# Allegro board 1155001-Timing_board_V3_20241024_1805_pcb.brd (continued)
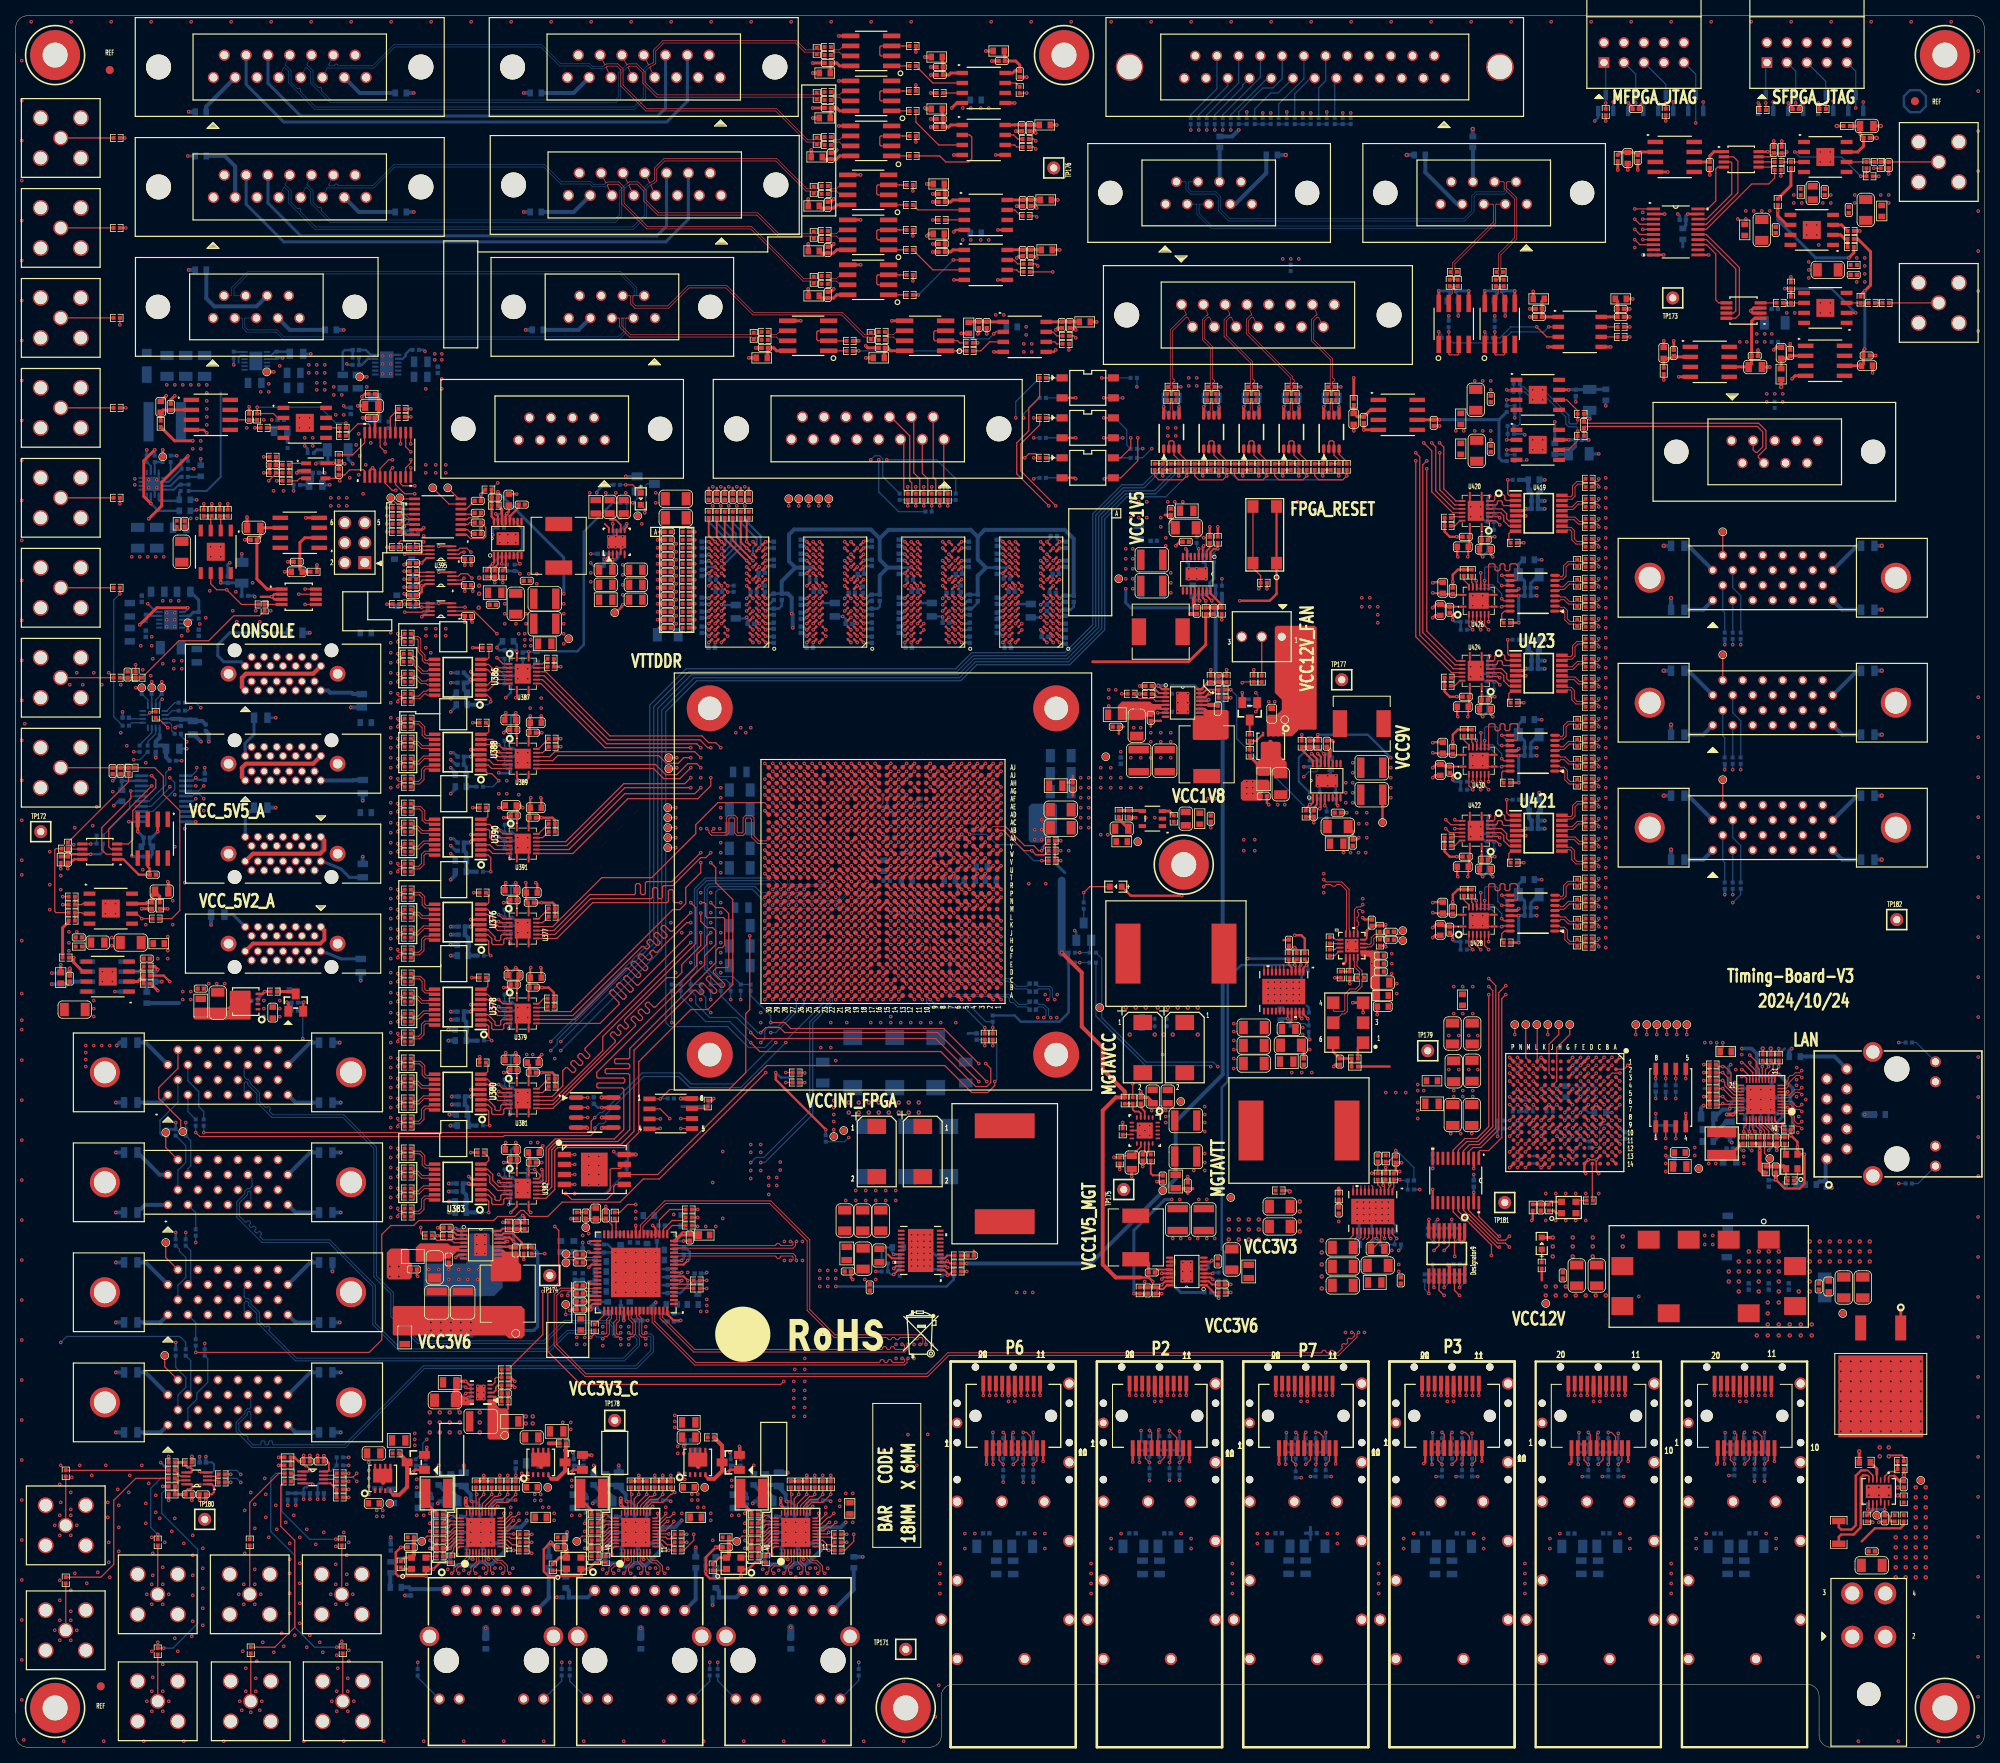
[diagram p0: board, top side]
## Nets (continued)
FPGA_2_RGMII_RX_CTL: R2480.2 R2491.1 U247.G14(IO_L11N_T1_SRCC_18) U325.26(RX_CTRL/PHYAD2)
FPGA_2_RGMII_RXD0: R2483.2 R2494.1 U247.E13(IO_L14N_T2_SRCC_18) U325.25(RX_D0/RXDLY)
FPGA_2_RGMII_RXD1: R2482.2 R2493.1 U247.F13(IO_L12N_T1_MRCC_18) U325.24(RX_D1/TXDLY)
FPGA_2_RGMII_RXD2: R2481.2 R2492.1 U247.F12(IO_L14P_T2_SRCC_18) U325.23(RX_D2/PLLOFF)
FPGA_2_RGMII_RXD3: R2478.2 R2489.1 U247.J12(IO_L8N_T1_18) U325.22(RX_D3/PHYAD0)
FPGA_2_RGMII_TX_CLK: U247.H15(IO_L7P_T1_18) U325.20(GTX_CLK)
FPGA_2_RGMII_TX_CTL: U247.J16(IO_L9P_T1_DQS_18) U325.19(TX_CTRL)
FPGA_2_RGMII_TXD0: U247.H11(IO_L10P_T1_18) U325.18(TD_D0)
FPGA_2_RGMII_TXD1: U247.D13(IO_L13N_T2_MRCC_18) U325.17(TD_D1)
FPGA_2_RGMII_TXD2: U247.H12(IO_L10N_T1_18) U325.16(TD_D2)
FPGA_2_RGMII_TXD3: U247.G15(IO_L7N_T1_18) U325.15(TD_D3)
FPGA_3_25M_OSC_ETH: C2630.1(CAP2) R2519.2 U327.37(XTAL_OUT/EXT_CLK)
FPGA_3_ETH_INTB: R2502.2 U247.K16(IO_L1N_T0_18)
FPGA_3_ETH_LED0: R2517.2 R2528.1 U327.32(LED_0/CFG_EXT)
FPGA_3_ETH_LED1: R2516.2 R2527.1 R2576.1 U327.33(LED_1/CFG_LDO0)
FPGA_3_ETH_LED2: R2515.2 R2526.1 R2574.1 U327.34(LED_2/CFG_LDO1)
FPGA_3_ETH_PWR_EN: R2539.2 U247.D19(IO_L14N_T2_SRCC_17)
FPGA_3_ETH_RESET_B: R2504.2 U247.L11(IO_L6P_T0_18)
FPGA_3_ETH_TD_M_A: J107.3 U327.2(MDIN0)
FPGA_3_ETH_TD_M_B: J107.7 U327.5(MDIN1)
FPGA_3_ETH_TD_M_C: J107.6 U327.7(MDIN2)
FPGA_3_ETH_TD_M_D: J107.9 U327.10(MDIN3)
FPGA_3_ETH_TD_P_A: J107.2 U327.1(MDIP0)
FPGA_3_ETH_TD_P_B: J107.4 U327.4(MDIP1)
FPGA_3_ETH_TD_P_C: J107.5 U327.6(MDIP2)
FPGA_3_ETH_TD_P_D: J107.8 U327.9(MDIP3)
FPGA_3_RGMII_RX_CLK: R2510.2 R2521.1 U247.D12(IO_L13P_T2_MRCC_18) U327.27(RX_CLK/PHYAD1)
FPGA_3_RGMII_RX_CTL: R2511.2 R2522.1 U247.L15(IO_L2P_T0_18) U327.26(RX_CTRL/PHYAD2)
FPGA_3_RGMII_RXD0: R2514.2 R2525.1 U247.J14(IO_L5N_T0_18) U327.25(RX_D0/RXDLY)
FPGA_3_RGMII_RXD1: R2513.2 R2524.1 U247.J13(IO_L4N_T0_18) U327.24(RX_D1/TXDLY)
FPGA_3_RGMII_RXD2: R2512.2 R2523.1 U247.K14(IO_L5P_T0_18) U327.23(RX_D2/PLLOFF)
FPGA_3_RGMII_RXD3: R2509.2 R2520.1 U247.L13(IO_L3N_T0_DQS_18) U327.22(RX_D3/PHYAD0)
FPGA_3_RGMII_TX_CLK: U247.G12(IO_0_18) U327.20(GTX_CLK)
FPGA_3_RGMII_TX_CTL: U247.K13(IO_L4P_T0_18) U327.19(TX_CTRL)
FPGA_3_RGMII_TXD0: U247.K11(IO_L6N_T0_VREF_18) U327.18(TD_D0)
FPGA_3_RGMII_TXD1: U247.K15(IO_L2N_T0_18) U327.17(TD_D1)
FPGA_3_RGMII_TXD2: U247.L12(IO_L3P_T0_DQS_18) U327.16(TD_D2)
FPGA_3_RGMII_TXD3: U247.L16(IO_L1P_T0_18) U327.15(TD_D3)
FPGA_CCLK_R: R233.2 R507.1 R508.1 U247.B10(CCLK_0)
FPGA_CCLK_SFPGA: R507.2 U88.D1(IO_L11P_T1_SRCC_34)
FPGA_CONFIG_CSI_B: U88.F1(IO_L9N_T1_DQS_34) U247.V26(IO_L16P_T2_CSI_B_14)
FPGA_CONFIG_D0: R503.2 U88.B6(IO_0_34)
FPGA_CONFIG_D0_R: R503.1 R504.1 U247.P24(IO_L1P_T0_D00_MOSI_14)
FPGA_CONFIG_D1: R505.2 U88.D3(IO_L1P_T0_34)
FPGA_CONFIG_D1_R: R505.1 R506.1 U247.R25(IO_L1N_T0_D01_DIN_14)
FPGA_CONFIG_D2: R509.2 U88.C3(IO_L1N_T0_34)
FPGA_CONFIG_D2_R: R509.1 R510.1 U247.R20(IO_L2P_T0_D02_14)
FPGA_CONFIG_D3: R511.2 U88.A4(IO_L2P_T0_34)
FPGA_CONFIG_D3_R: R511.1 R512.1 U247.R21(IO_L2N_T0_D03_14)
FPGA_CONFIG_D4: U88.A3(IO_L2N_T0_34) U247.T20(IO_L4P_T0_D04_14)
FPGA_CONFIG_D5: U88.B3(IO_L3P_T0_DQS_34) U247.T21(IO_L4N_T0_D05_14)
FPGA_CONFIG_D6: U88.A2(IO_L3N_T0_DQS_34) U247.T22(IO_L5P_T0_D06_14)
FPGA_CONFIG_D7: U88.B5(IO_L4P_T0_34) U247.T23(IO_L5N_T0_D07_14)
FPGA_CONFIG_D8: U88.A5(IO_L4N_T0_34) U247.U20(IO_L6N_T0_D08_VREF_14)
FPGA_CONFIG_D9: U88.B2(IO_L5P_T0_34) U247.P29(IO_L7P_T1_D09_14)
FPGA_CONFIG_D10: U88.B1(IO_L5N_T0_34) U247.R29(IO_L7N_T1_D10_14)
FPGA_CONFIG_D11: U88.C5(IO_L6P_T0_34) U247.P27(IO_L8P_T1_D11_14)
FPGA_CONFIG_D12: U88.C4(IO_L6N_T0_VREF_34) U247.P28(IO_L8N_T1_D12_14)
FPGA_CONFIG_D13: U88.E4(IO_L7P_T1_34) U247.T30(IO_L9N_T1_DQS_D13_14)
FPGA_CONFIG_D14: U88.D4(IO_L7N_T1_34) U247.P26(IO_L10P_T1_D14_14)
FPGA_CONFIG_D15: U88.F3(IO_L8P_T1_34) U247.R26(IO_L10N_T1_D15_14)
FPGA_CONFIG_RDWR_B: U88.G1(IO_L9P_T1_DQS_34) U247.U29(IO_L15P_T2_DQS_RDWR_B_14)
FPGA_DONE_R: Q15.1(GATE) R395.2 R680.1 U247.M10(DONE_0)
FPGA_DONE_SFPGA: R680.2 U88.C1(IO_L11N_T1_SRCC_34)
FPGA_GPIO_OUT1: R3363.1 R3369.1 U247.A18(IO_L22N_T3_17)
FPGA_GPIO_OUT2: R3371.1 R3377.1 U247.B22(IO_L23P_T3_17)
FPGA_GPIO_OUT3: R3379.1 R3385.1 U247.F16(IO_25_18)
FPGA_INIT_B_R: R4.2 R676.1 U247.A10(INIT_B_0)
FPGA_INIT_B_SFPGA: R676.2 U88.E2(IO_L10P_T1_34)
FPGA_M0: R337.2 R342.1 U247.AB5(M0_0)
FPGA_M1: R338.2 R341.1 U247.AB2(M1_0)
FPGA_M2: R339.2 R340.1 U247.AB1(M2_0)
FPGA_MASTER_CLOCK_N: C941.2(CAP1) U245.12(OUT1_N)
FPGA_MASTER_CLOCK_P: C942.2(CAP1) U245.11(OUT1_P)
FPGA_PROG_B_R: R42.2 R678.1 U247.K10(PROGRAM_B_0)
FPGA_PROG_B_SFPGA: R678.2 U88.D2(IO_L10N_T1_34)
FPGA_RESET: R41.1 SW8.3(P3) SW8.4(P4) U247.M19(IO_0_15)
FPGA_RGMII_MDC: R2462.2 R2463.2 R2469.2 R2500.2 R2743.2
FPGA_RGMII_MDC_R: R2463.1 U247.B14(IO_L24P_T3_18)
FPGA_RGMII_MDIO: R2461.2 R2464.2 R2470.2 R2501.2 R2744.2
FPGA_RGMII_MDIO_R: R2464.1 U247.A15(IO_L24N_T3_18)
FPGA_SFP1_4_IIC_SCL: R124.2 U247.D28(IO_L14N_T2_SRCC_16) U432.14(SCL)
FPGA_SFP1_4_IIC_SDA: R123.2 U247.B29(IO_L15N_T2_DQS_16) U432.15(SDA)
FPGA_SFP1_4_RESET_B: R513.2 U247.G25(IO_25_16) U432.3(RESET_B)
FPGA_SFP1_IIC_SCL: P3.5(SCL) R128.2 R516.2 U432.5(SC0)
FPGA_SFP1_IIC_SDA: P3.4(SDA) R127.2 R517.2 U432.4(SD0)
FPGA_SFP1_LOS: P3.8(LOS) R14.2 U247.E23(IO_L2P_T0_16)
FPGA_SFP1_MOD_DETECT: P3.6(MOD_ABS) R13.2 U247.A23(IO_L1N_T0_16)
FPGA_SFP1_RX_N: P3.12(RD_N) U247.K5(MGTXRXN0_117)
FPGA_SFP1_RX_P: P3.13(RD_P) U247.K6(MGTXRXP0_117)
FPGA_SFP1_TX_FAULT: P3.2(TX_FAULT) R11.2 U247.F23(IO_0_16)
FPGA_SFP1_TX_N: P3.19(TD_N) U247.K1(MGTXTXN0_117)
FPGA_SFP1_TX_P: P3.18(TD_P) U247.K2(MGTXTXP0_117)
FPGA_SFP1_VCCR: C23.1(CAP2) C114.1(CAP2) L6.2 P3.15(VCCR)
FPGA_SFP1_VCCT: C22.1(CAP2) C115.1(CAP2) L7.2 P3.16(VCCT)
FPGA_SFP2_IIC_SCL: P2.5(SCL) R131.2 R520.2 U432.7(SC1)
FPGA_SFP2_IIC_SDA: P2.4(SDA) R132.2 R521.2 U432.6(SD1)
FPGA_SFP2_LOS: P2.8(LOS) R21.2 U247.G23(IO_L6P_T0_16)
FPGA_SFP2_MOD_DETECT: P2.6(MOD_ABS) R22.2 U247.E25(IO_L3N_T0_DQS_16)
FPGA_SFP2_RX_N: P2.12(RD_N) U247.E3(MGTXRXN0_118)
FPGA_SFP2_RX_P: P2.13(RD_P) U247.E4(MGTXRXP0_118)
FPGA_SFP2_TX_FAULT: P2.2(TX_FAULT) R20.2 U247.D23(IO_L2N_T0_16)
FPGA_SFP2_TX_N: P2.19(TD_N) U247.D1(MGTXTXN0_118)
FPGA_SFP2_TX_P: P2.18(TD_P) U247.D2(MGTXTXP0_118)
FPGA_SFP2_VCCR: C72.1(CAP2) C78.1(CAP2) L12.2 P2.15(VCCR)
FPGA_SFP2_VCCT: C73.1(CAP2) C99.1(CAP2) L11.2 P2.16(VCCT)
FPGA_SFP3_IIC_SCL: P6.5(SCL) R129.2 R2057.2 U432.10(SC2)
FPGA_SFP3_IIC_SDA: P6.4(SDA) R130.2 R2058.2 U432.9(SD2)
FPGA_SFP3_LOS: P6.8(LOS) R2053.2 U247.D26(IO_L11P_T1_SRCC_16)
FPGA_SFP3_MOD_DETECT: P6.6(MOD_ABS) R2054.2 U247.A28(IO_L9N_T1_DQS_16)
FPGA_SFP3_RX_N: P6.12(RD_N) U247.D5(MGTXRXN1_118)
FPGA_SFP3_RX_P: P6.13(RD_P) U247.D6(MGTXRXP1_118)
FPGA_SFP3_TX_FAULT: P6.2(TX_FAULT) R2055.2 U247.B24(IO_L8N_T1_16)
FPGA_SFP3_TX_N: P6.19(TD_N) U247.C3(MGTXTXN1_118)
FPGA_SFP3_TX_P: P6.18(TD_P) U247.C4(MGTXTXP1_118)
FPGA_SFP3_VCCR: C2404.1(CAP2) C2406.1(CAP2) L258.2 P6.15(VCCR)
FPGA_SFP3_VCCT: C2405.1(CAP2) C2407.1(CAP2) L257.2 P6.16(VCCT)
FPGA_SFP4_IIC_SCL: P7.5(SCL) R134.2 R2065.2 U432.12(SC3)
FPGA_SFP4_IIC_SDA: P7.4(SDA) R133.2 R2066.2 U432.11(SD3)
FPGA_SFP4_LOS: P7.8(LOS) R2061.2 U247.E28(IO_L14P_T2_SRCC_16)
FPGA_SFP4_MOD_DETECT: P7.6(MOD_ABS) R2062.2 U247.B25(IO_L12N_T1_MRCC_16)
FPGA_SFP4_RX_N: P7.12(RD_N) U247.F5(MGTXRXN3_117)
FPGA_SFP4_RX_P: P7.13(RD_P) U247.F6(MGTXRXP3_117)
FPGA_SFP4_TX_FAULT: P7.2(TX_FAULT) R2063.2 U247.C26(IO_L11N_T1_SRCC_16)
FPGA_SFP4_TX_N: P7.19(TD_N) U247.F1(MGTXTXN3_117)
FPGA_SFP4_TX_P: P7.18(TD_P) U247.F2(MGTXTXP3_117)
FPGA_SFP4_VCCR: C2408.1(CAP2) C2410.1(CAP2) L260.2 P7.15(VCCR)
FPGA_SFP4_VCCT: C2409.1(CAP2) C2411.1(CAP2) L259.2 P7.16(VCCT)
FPGA_SFP5_IIC_SCL: P8.5(SCL) R3183.2 U247.H30(IO_L24P_T3_16)
FPGA_SFP5_IIC_SDA: P8.4(SDA) R3184.2 U247.G30(IO_L24N_T3_16)
FPGA_SFP5_LOS: P8.8(LOS) R3179.2 U247.H27(IO_L23N_T3_16)
FPGA_SFP5_MOD_DETECT: P8.6(MOD_ABS) R3180.2 U247.H26(IO_L23P_T3_16)
FPGA_SFP5_RX_N: P8.12(RD_N) U247.H5(MGTXRXN1_117)
FPGA_SFP5_RX_P: P8.13(RD_P) U247.H6(MGTXRXP1_117)
FPGA_SFP5_TX_FAULT: P8.2(TX_FAULT) R3181.2 U247.C27(IO_L13N_T2_MRCC_16)
FPGA_SFP5_TX_N: P8.19(TD_N) U247.J3(MGTXTXN1_117)
FPGA_SFP5_TX_P: P8.18(TD_P) U247.J4(MGTXTXP1_117)
FPGA_SFP5_VCCR: C3022.1(CAP2) C3024.1(CAP2) L487.2 P8.15(VCCR)
FPGA_SFP5_VCCT: C3023.1(CAP2) C3025.1(CAP2) L486.2 P8.16(VCCT)
FPGA_SFP6_IIC_SCL: P9.5(SCL) R3194.2 U431.16(B4)
FPGA_SFP6_IIC_SCL_1V8: U247.V22(IO_L22N_T3_A04_D20_14) U431.5(A4)
FPGA_SFP6_IIC_SDA: P9.4(SDA) R3195.2 U431.15(B5)
FPGA_SFP6_IIC_SDA_1V8: U247.V24(IO_L23N_T3_A02_D18_14) U431.6(A5)
FPGA_SFP6_LOS: P9.8(LOS) R3190.2 U431.17(B3)
FPGA_SFP6_LOS_1V8: U247.U23(IO_L21N_T3_DQS_A06_D22_14) U431.4(A3)
FPGA_SFP6_MOD_DETECT: P9.6(MOD_ABS) R3191.2 U431.18(B2)
FPGA_SFP6_MOD_DETECT_1V8: U247.W24(IO_L20N_T3_A07_D23_14) U431.3(A2)
FPGA_SFP6_RX_N: P9.12(RD_N) U247.G3(MGTXRXN2_117)
FPGA_SFP6_RX_P: P9.13(RD_P) U247.G4(MGTXRXP2_117)
FPGA_SFP6_TX_FAULT: P9.2(TX_FAULT) R3192.2 U431.20(B1)
FPGA_SFP6_TX_FAULT_1V8: U247.V27(IO_L16N_T2_A15_D31_14) U431.1(A1)
FPGA_SFP6_TX_N: P9.19(TD_N) U247.H1(MGTXTXN2_117)
FPGA_SFP6_TX_P: P9.18(TD_P) U247.H2(MGTXTXP2_117)
FPGA_SFP6_VCCR: C3027.1(CAP2) C3028.1(CAP2) L489.2 P9.15(VCCR)
FPGA_SFP6_VCCT: C3026.1(CAP2) C3029.1(CAP2) L488.2 P9.16(VCCT)
FPGA_TCK: D4.3 J1.1 R456.2 U247.E10(TCK_0)
FPGA_TDI: D1.3 J1.9 U247.H10(TDI_0)
FPGA_TDI_1_GPIO_IN1: R2612.2 U247.E29(IO_L18P_T2_16)
FPGA_TDI_2_GPIO_IN1: R2614.2 U247.E30(IO_L18N_T2_16)
FPGA_TDI_3_GPIO_IN1: R2624.2 U247.H24(IO_L19P_T3_16)
FPGA_TDI_4_GPIO_IN1: R2626.2 U247.H25(IO_L19N_T3_VREF_16)
FPGA_TDI_SYNC_GPIO_OUT1: R2618.2 U247.B23(IO_L1P_T0_16)
FPGA_TDI_SYNC_GPIO_OUT2: R2620.2 U247.F25(IO_L3P_T0_DQS_16)
FPGA_TDI_SYNC_GPIO_OUT3: R2630.2 U247.B28(IO_L9P_T1_DQS_16)
FPGA_TDI_SYNC_GPIO_OUT4: R2632.2 U247.C25(IO_L12P_T1_MRCC_16)
FPGA_TDO: D3.3 J1.3 U247.G10(TDO_0)
FPGA_TMS: D2.3 J1.5 R455.2 U247.F10(TMS_0)
FPGA_TO_SFPGA_RESERVE0: U88.M3(IO_L19P_T3_34) U247.AJ27(IO_L20P_T3_13)
FPGA_TO_SFPGA_RESERVE1: U88.M2(IO_L19N_T3_VREF_34) U247.AK28(IO_L20N_T3_13)
FPGA_TO_SFPGA_RESERVE2: U88.P2(IO_L20P_T3_34) U247.AG27(IO_L21P_T3_DQS_13)
FPGA_TO_SFPGA_RESERVE3: U88.N1(IO_L20N_T3_34) U247.AG28(IO_L21N_T3_DQS_13)
FPGA_TO_SFPGA_RESERVE4: U88.P4(IO_L21P_T3_DQS_34) U247.AH26(IO_L22P_T3_13)
FPGA_TO_SFPGA_RESERVE5: U88.P3(IO_L21N_T3_DQS_34) U247.AH27(IO_L22N_T3_13)
FPGA_TO_SFPGA_RESERVE6: U88.L3(IO_L22P_T3_34) U247.AF26(IO_L23P_T3_13)
FPGA_TO_SFPGA_RESERVE7: U88.L2(IO_L22N_T3_34) U247.AF27(IO_L23N_T3_13)
FPGA_TO_SFPGA_RESERVE8: U88.M5(IO_L23P_T3_34) U247.AJ26(IO_L24P_T3_13)
FPGA_TO_SFPGA_RESERVE9: U88.M4(IO_L23N_T3_34) U247.AK26(IO_L24N_T3_13)
FPGA_UART_RX_MOTOR: R3331.1 R3353.1 U247.E20(IO_L12N_T1_MRCC_17)
FPGA_UART_TX_MOTOR: R3355.1 R3361.1 U247.D17(IO_L13P_T2_MRCC_17)
HMC7044_1_CLK_C_N: C994.1(CAP2) U105.48(OSCIN*)
HMC7044_1_CLK_C_P: C993.1(CAP2) U105.47(OSCIN)
HMC7044_1_CLK_N: C994.2(CAP1) U245.10(OUT0_N)
HMC7044_1_CLK_P: C993.2(CAP1) U245.9(OUT0_P)
HMC7044_1_CLKIN0_C_N: C2395.1(CAP2) U105.40(CLKIN0*/RFSYNCIN*)
HMC7044_1_CLKIN0_C_P: C2394.1(CAP2) U105.39(CLKIN0/RFSYNCIN)
HMC7044_1_GPIO1: R1000.2 U247.J17(IO_L3P_T0_DQS_17)
HMC7044_1_GPIO1_R: R1000.1 U105.31(GPIO1)
HMC7044_1_GPIO2: R1001.2 U247.H17(IO_L3N_T0_DQS_17)
HMC7044_1_GPIO2_R: R1001.1 U105.52(GPIO2)
HMC7044_1_RESET: R995.2 U247.K18(IO_L1P_T0_17)
HMC7044_1_RESET_R: R995.1 U105.5(RESET)
HMC7044_1_SCLK: R998.2 U247.H20(IO_L2P_T0_17)
HMC7044_1_SCLK_R: R998.1 U105.19(SCLK)
HMC7044_1_SDATA: R999.2 U247.G20(IO_L2N_T0_17)
HMC7044_1_SDATA_R: R999.1 U105.20(SDATA)
HMC7044_1_SLEN: R997.2 U247.J18(IO_L1N_T0_17)
HMC7044_1_SLEN_R: R997.1 U105.18(SLEN)
HMC7044_1_SYNC_R: R996.1 U105.6(SYNC)
HMC7044_1_VCC1_VCO: C1009.2(CAP1) C1010.1(CAP2) C1011.1(CAP2) L57.2 U105.10(VCC1_VCO)
HMC7044_1_VCC2_OUT: C1012.2(CAP1) C1013.1(CAP2) C1014.1(CAP2) L58.2 U105.17(VCC2_OUT)
HMC7044_1_VCC3_SYSREF: C1015.2(CAP1) C1016.1(CAP2) C1017.1(CAP2) L59.2 U105.21(VCC3_SYSREF)
HMC7044_1_VCC4_OUT: C1018.2(CAP1) C1019.1(CAP2) C1020.1(CAP2) L60.2 U105.26(VCC4_OUT)
HMC7044_1_VCC5_PLL1: C1021.2(CAP1) C1022.1(CAP2) C1023.1(CAP2) L61.2 U105.38(VCC5_PLL1)
HMC7044_1_VCC6_OSCOUT: C1024.2(CAP1) C1025.1(CAP2) C1026.1(CAP2) L62.2 U105.41(VCC6_OSCOUT)
HMC7044_1_VCC7_PLL2: C1027.2(CAP1) C1028.1(CAP2) C1029.1(CAP2) L63.2 U105.51(VCC7_PLL2)
HMC7044_1_VCC8_OUT: C1030.2(CAP1) C1031.1(CAP2) C1032.1(CAP2) L64.2 U105.57(VCC8_OUT)
HMC7044_1_VCC9_OUT: C1033.2(CAP1) C1034.1(CAP2) C1035.1(CAP2) L65.2 U105.68(VCC9_OUT)
HMC7044_SYNC: R996.2 R1199.2 U247.G19(IO_0_17)
INPUT_GND: C1134.2(CAP1) C1136.1(CAP2) C1139.2(CAP1) C1140.2(CAP1) C1142.2(CAP1) C1144.2(CAP1) C1145.1(CAP2) C1146.1(CAP2) C1147.2(CAP1) C1148.1(CAP2) C1149.2(CAP1) C1150.2(CAP1) C1151.2(CAP1) C1152.1(CAP2) J18.2(GND#2) J18.4(GND#4) R1036.2 R1063.2 R2805.1 TP38.1 U111.1(BUS-1) U111.10(BUS-2) U112.10(GND) U112.13(HOTGND)
INTVCC3V4_1: C1175.1(CAP2) R1061.2 U115.13(INTVCC)
INTVCC3V4_2: C1189.1(CAP2) R1071.2 U116.13(INTVCC)
INTVCC3V4_3: C1164.1(CAP2) R1081.2 U114.13(INTVCC)
INTVCC3V4_4: C1220.1(CAP2) R1106.2 U119.13(INTVCC)
INTVCC3V4_5: C1271.1(CAP2) R1142.2 U126.13(INTVCC)
INTVCC3V4_6: C2529.1(CAP2) R2277.2 U298.13(INTVCC)
MAX5216_CLK: U318.3(SCLK) U324.18(B2)
MAX5216_CLK_ACS: U434.3(SCLK) U435.18(B2)
MAX5216_CLK_ACS_LS: U247.T28(IO_L11N_T1_SRCC_14) U435.3(A2)
MAX5216_CLK_LS: U247.D24(IO_L4N_T0_16) U324.3(A2)
MAX5216_CLR: R3024.1 U324.16(B4)
MAX5216_CLR_ACS: R3283.2 U434.5(C\L\R\) U435.16(B4)
MAX5216_CLR_ACS_LS: U247.T27(IO_L12N_T1_MRCC_14) U435.5(A4)
MAX5216_CLR_LS: U247.C19(IO_L24P_T3_17) U324.5(A4)
MAX5216_CS: U318.2(C\S\) U324.17(B3)
MAX5216_CS_ACS: U434.2(C\S\) U435.17(B3)
MAX5216_CS_ACS_LS: U247.T26(IO_L12P_T1_MRCC_14) U435.4(A3)
MAX5216_CS_LS: U247.A22(IO_L23N_T3_17) U324.4(A3)
MAX5216_DAC_OUT: R3285.2 U434.6(OUT)
MAX5216_DIN: U318.4(DIN) U324.20(B1)
MAX5216_DIN_ACS: U434.4(DIN) U435.20(B1)
MAX5216_DIN_ACS_LS: U247.R28(IO_L11P_T1_SRCC_14) U435.1(A1)
MAX5216_DIN_LS: U247.E24(IO_L4P_T0_16) U324.1(A1)
MGTAVCC: C144.1(CAP2) C145.1(CAP2) C2257.1(CAP2) C2258.1(CAP2) C2259.1(CAP2) C2260.1(CAP2) C2261.1(CAP2) C2262.1(CAP2) C2263.1(CAP2) C2264.1(CAP2) C2265.1(CAP2) C2266.1(CAP2) CC13.1 CC14.1 L99.1 R1100.2 TP47.1 U247.B7(MGTAVCC#B7) U247.D7(MGTAVCC#D7) U247.F7(MGTAVCC#F7) U247.H7(MGTAVCC#H7) U247.K7(MGTAVCC#K7) U247.M7(MGTAVCC#M7) U247.P7(MGTAVCC#P7)
MGTAVCC_PG: R1091.2 R1102.1 U118.3(PGOOD)
MGTAVTT: C146.1(CAP2) C147.1(CAP2) C1233.1(CAP2) C1234.1(CAP2) C1235.2(CAP1) C1237.1(CAP2) C2270.1(CAP2) C2271.1(CAP2) C2272.1(CAP2) C2273.1(CAP2) C2274.1(CAP2) C2275.1(CAP2) C2276.1(CAP2) C2277.1(CAP2) C2278.1(CAP2) C2279.1(CAP2) R165.1 TP52.1 U120.1(OUT) U120.2(SNS) U120.19(OUT_1) U120.20(OUT_2) U247.B3(MGTAVTT#B3) U247.C5(MGTAVTT#C5) U247.D3(MGTAVTT#D3) U247.E5(MGTAVTT#E5) U247.F3(MGTAVTT#F3) U247.G5(MGTAVTT#G5) U247.H3(MGTAVTT#H3) U247.J5(MGTAVTT#J5) U247.K3(MGTAVTT#K3) U247.L5(MGTAVTT#L5) U247.M3(MGTAVTT#M3) U247.N5(MGTAVTT#N5) U247.P3(MGTAVTT#P3) U247.R5(MGTAVTT#R5) U247.T3(MGTAVTT#T3) U247.U5(MGTAVTT#U5) U247.V3(MGTAVTT#V3) U247.W5(MGTAVTT#W5) U247.W7(MGTAVTTRCAL_115)
MGTAVTT_PG: R1113.2 U247.L20(IO_L6N_T0_VREF_15)
MGTVCCAUX: C148.1(CAP2) C2267.1(CAP2) C2268.1(CAP2) C2269.1(CAP2) L357.2 U247.T7(MGTVCCAUX#T7) U247.V7(MGTVCCAUX#V7)
MOTO_OUTPUT_ACQ: R3110.1 R3125.1 U415.6(OUT)
MOTO_VOLTAGE_IN: R3126.1 R3141.2
MOTO_VOLTAGE_IN_AMP: R3108.2 R3149.2
MOTO_VOLTAGE_OUT: R1911.2 R3116.1
MOTO_VOLTAGE_OUT_AMP: R3117.1 R3142.2
NC_GNDADC_R: R791.1 U88.F7(NC/GNDADC_0)
NC_VREFN_R: R790.1 U88.G7(NC/VREFN_0)
NC_VREFP_R: R789.1 U88.H8(NC/VREFP_0)
QSPI_CLK: R508.2 U7.6(CLK)
QSPI_CS_B: R496.2 R502.2 U7.1(C\S\)
QSPI_CS_B_R: R502.1 U247.U19(IO_L6P_T0_FCS_B_14)
QSPI_MISO0: R504.2 U7.5(DI/IO0)
QSPI_MISO1: R506.2 U7.2(DO/IO1)
QSPI_MISO2: R497.2 R510.2 U7.3(\W\P\/IO2)
QSPI_MISO3: R498.2 R512.2 U7.7(\H\O\L\D\/IO3)
RC_C: C3003.2(CAP1) C3004.2(CAP1) J66.1(SIG) R1911.1 R3142.1
RF_EMISSION_LS: U247.N30(IO_L17N_T2_A25_15) U395.3(A2)
RF_EMISSION_S: R3034.2 R3196.2
RF_ENABLE_1: R2777.2 U247.G28(IO_L20P_T3_16)
RF_ENABLE_2: R2778.2 U247.G17(IO_L18P_T2_17)
RF_ENABLE_3: R2779.2 U247.C20(IO_L19P_T3_17)
RF_ENABLE_4: R2783.2 U247.A16(IO_L20P_T3_17)
RF_ENABLE_5: R3155.2 U247.G24(IO_L6N_T0_VREF_16)
RF_ENABLE_6: R3162.2 U247.A27(IO_L7N_T1_16)
RF_ENABLE_7: R3169.2 U247.C29(IO_L15P_T2_DQS_16)
RF_ENABLE_LS: U247.K25(IO_L12N_T1_MRCC_AD5N_15) U395.2(A1)
RF_ENABLE_S: R1910.2 R3106.2
RF_FAULT: J115.2 U394.7(B1)
RF_FAULT_1: R2780.2 U247.F28(IO_L20N_T3_16)
RF_FAULT_2: R2781.2 U247.F17(IO_L18N_T2_17)
RF_FAULT_3: R2782.2 U247.B20(IO_L19N_T3_VREF_17)
RF_FAULT_4: R2784.2 U247.A17(IO_L20N_T3_17)
RF_FAULT_5: R3156.2 U247.B27(IO_L7P_T1_16)
RF_FAULT_6: R3163.2 U247.C24(IO_L8P_T1_16)
RF_FAULT_7: R3170.2 U247.D29(IO_L16P_T2_16)
RF_FAULT_LS: U247.M30(IO_L15N_T2_DQS_ADV_B_15) U394.2(A1)
RF_FPS_TRIGGER_1_N: J62.19(SERTFG-) U247.W26(IO_L18N_T2_A11_D27_14)
RF_FPS_TRIGGER_1_P: J62.6(SERTFG+) U247.V25(IO_L18P_T2_A12_D28_14)
RF_FPS_TRIGGER_2_N: J73.19(SERTFG-) U247.N26(IO_L18N_T2_A23_15)
RF_FPS_TRIGGER_2_P: J73.6(SERTFG+) U247.N25(IO_L18P_T2_A24_15)
RF_FPS_TRIGGER_3_N: J74.19(SERTFG-) U247.AK30(IO_L15N_T2_DQS_13)
RF_FPS_TRIGGER_3_P: J74.6(SERTFG+) U247.AK29(IO_L15P_T2_DQS_13)
RF_FPS_TRIGGER_4_N: J94.19(SERTFG-) U247.L27(IO_L11N_T1_SRCC_AD12N_15)
RF_FPS_TRIGGER_4_P: J94.6(SERTFG+) U247.L26(IO_L11P_T1_SRCC_AD12P_15)
RF_FPS_TRIGGER_5_N: J112.19(SERTFG-) R3306.1
RF_FPS_TRIGGER_5_P: J112.6(SERTFG+) R3305.1
RF_FPS_TRIGGER_5_P_S: U425.14(ROUT2) U426.12(1B2)
RF_FPS_TRIGGER_5_P_S_C: U247.AH24(IO_L14N_T2_SRCC_12) U426.5(1A2)
RF_FPS_TRIGGER_6_N: J113.19(SERTFG-) R3314.1
RF_FPS_TRIGGER_6_P: J113.6(SERTFG+) R3313.1
RF_FPS_TRIGGER_6_P_S: U427.14(ROUT2) U428.12(1B2)
RF_FPS_TRIGGER_6_P_S_C: U247.AF25(IO_L16N_T2_12) U428.5(1A2)
RF_FPS_TRIGGER_7_N: J114.19(SERTFG-) R3322.1
RF_FPS_TRIGGER_7_P: J114.6(SERTFG+) R3321.1
RF_FPS_TRIGGER_7_P_S: U429.14(ROUT2) U430.12(1B2)
RF_FPS_TRIGGER_7_P_S_C: U247.AJ21(IO_L23N_T3_12) U430.5(1A2)
RF_MOD_IN_ANALOG_S: R3025.2 R3026.2
RF_MOD_IN_FIXED_1_N: J62.18(CC1-) U247.W22(IO_L24N_T3_A00_D16_14)
RF_MOD_IN_FIXED_1_P: J62.5(CC1+) U247.W21(IO_L24P_T3_A01_D17_14)
RF_MOD_IN_FIXED_2_N: J73.18(CC1-) U247.L28(IO_L14N_T2_SRCC_15)
RF_MOD_IN_FIXED_2_P: J73.5(CC1+) U247.M28(IO_L14P_T2_SRCC_15)
RF_MOD_IN_FIXED_3_N: J74.18(CC1-) U247.AD26(IO_L19N_T3_VREF_13)
RF_MOD_IN_FIXED_3_P: J74.5(CC1+) U247.AC26(IO_L19P_T3_13)
RF_MOD_IN_FIXED_4_N: J94.18(CC1-) U247.N20(IO_L19N_T3_A21_VREF_15)
RF_MOD_IN_FIXED_4_P: J94.5(CC1+) U247.N19(IO_L19P_T3_A22_15)
RF_MOD_IN_FIXED_5_N: J112.18(CC1-) R3307.1
RF_MOD_IN_FIXED_5_P: J112.5(CC1+) R3308.1
RF_MOD_IN_FIXED_5_P_S: U425.11(ROUT3) U426.11(2B1)
RF_MOD_IN_FIXED_5_P_S_C: U247.AJ24(IO_L15P_T2_DQS_12) U426.6(2A1)
RF_MOD_IN_FIXED_6_N: J113.18(CC1-) R3316.1
RF_MOD_IN_FIXED_6_P: J113.5(CC1+) R3315.1
RF_MOD_IN_FIXED_6_P_S: U427.11(ROUT3) U428.11(2B1)
RF_MOD_IN_FIXED_6_P_S_C: U247.AK23(IO_L17P_T2_12) U428.6(2A1)
RF_MOD_IN_FIXED_7_N: J114.18(CC1-) R3324.1
RF_MOD_IN_FIXED_7_P: J114.5(CC1+) R3323.1
RF_MOD_IN_FIXED_7_P_S: U429.11(ROUT3) U430.11(2B1)
RF_MOD_IN_FIXED_7_P_S_C: U247.AK20(IO_L24P_T3_12) U430.6(2A1)
RF_MOD_IN_VARIABLE: J115.5 U396.6(B2)
RF_MOD_IN_VARIABLE_1_N: J62.4(CC2-) U247.V30(IO_L17N_T2_A13_D29_14)
RF_MOD_IN_VARIABLE_1_P: J62.17(CC2+) U247.V29(IO_L17P_T2_A14_D30_14)
RF_MOD_IN_VARIABLE_2_N: J73.4(CC2-) U247.J26(IO_L10N_T1_AD4N_15)
RF_MOD_IN_VARIABLE_2_P: J73.17(CC2+) U247.K26(IO_L10P_T1_AD4P_15)
RF_MOD_IN_VARIABLE_3_N: J74.4(CC2-) U247.AC27(IO_L12N_T1_MRCC_13)
RF_MOD_IN_VARIABLE_3_P: J74.17(CC2+) U247.AB27(IO_L12P_T1_MRCC_13)
RF_MOD_IN_VARIABLE_4_N: J94.4(CC2-) U247.P22(IO_L22N_T3_A16_15)
RF_MOD_IN_VARIABLE_4_P: J94.17(CC2+) U247.P21(IO_L22P_T3_A17_15)
RF_MOD_IN_VARIABLE_5_N: J112.4(CC2-) R3310.1
RF_MOD_IN_VARIABLE_5_P: J112.17(CC2+) R3309.1
RF_MOD_IN_VARIABLE_5_P_S: U425.10(ROUT4) U426.10(2B2)
RF_MOD_IN_VARIABLE_5_P_S_C: U247.AK25(IO_L15N_T2_DQS_12) U426.7(2A2)
RF_MOD_IN_VARIABLE_6_N: J113.4(CC2-) R3318.1
RF_MOD_IN_VARIABLE_6_P: J113.17(CC2+) R3317.1
RF_MOD_IN_VARIABLE_6_P_S: U427.10(ROUT4) U428.10(2B2)
RF_MOD_IN_VARIABLE_6_P_S_C: U247.AK24(IO_L17N_T2_12) U428.7(2A2)
RF_MOD_IN_VARIABLE_7_N: J114.4(CC2-) R3326.1
RF_MOD_IN_VARIABLE_7_P: J114.17(CC2+) R3325.1
RF_MOD_IN_VARIABLE_7_P_S: U429.10(ROUT4) U430.10(2B2)
RF_MOD_IN_VARIABLE_7_P_S_C: U247.AK21(IO_L24N_T3_12) U430.7(2A2)
RF_MOD_IN_VARIABLE_LS: U247.K30(IO_L9N_T1_DQS_AD11N_15) U396.3(A2)
RF_READY: J115.3 U394.6(B2)
RF_READY_LS: U247.M27(IO_L16N_T2_A27_15) U394.3(A2)
RF_SYNC: J115.4 U396.7(B1)
RF_SYNC_1_N_C: J62.23(X2-) R2948.2
RF_SYNC_1_P: U247.N27(IO_L16P_T2_A28_15) U382.12(1B2)
RF_SYNC_1_P_C: J62.10(X2+) R2947.2
RF_SYNC_1_P_H: U382.5(1A2) U383.6(DIN3)
RF_SYNC_2_N_C: J73.23(X2-) R2900.2
RF_SYNC_2_P: U247.V21(IO_L22P_T3_A05_D21_14) U379.12(1B2)
RF_SYNC_2_P_C: J73.10(X2+) R2899.2
RF_SYNC_2_P_H: U378.6(DIN3) U379.5(1A2)
RF_SYNC_3_N_C: J74.23(X2-) R2882.2
RF_SYNC_3_P: U247.W27(IO_L2P_T0_13) U377.12(1B2)
RF_SYNC_3_P_C: J74.10(X2+) R2881.2
RF_SYNC_3_P_H: U376.6(DIN3) U377.5(1A2)
RF_SYNC_4_N_C: J94.23(X2-) R2930.2
RF_SYNC_4_P: U247.U22(IO_L21P_T3_DQS_14) U381.12(1B2)
RF_SYNC_4_P_C: J94.10(X2+) R2928.2
RF_SYNC_4_P_H: U380.6(DIN3) U381.5(1A2)
RF_SYNC_5_N_C: J112.23(X2-) R3208.2
RF_SYNC_5_P: U247.AA23(IO_L4N_T0_12) U420.12(1B2)
RF_SYNC_5_P_C: J112.10(X2+) R3207.2
RF_SYNC_5_P_H: U419.6(DIN3) U420.5(1A2)
RF_SYNC_6_N_C: J113.23(X2-) R3224.2
RF_SYNC_6_P: U247.AD24(IO_L9N_T1_DQS_12) U422.12(1B2)
RF_SYNC_6_P_C: J113.10(X2+) R3223.2
RF_SYNC_6_P_H: U421.6(DIN3) U422.5(1A2)
RF_SYNC_7_N_C: J114.23(X2-) R3240.2
RF_SYNC_7_P: U247.AE24(IO_L12N_T1_MRCC_12) U424.12(1B2)
RF_SYNC_7_P_C: J114.10(X2+) R3239.2
RF_SYNC_7_P_H: U423.6(DIN3) U424.5(1A2)
RF_SYNC_LS: U247.N22(IO_L20N_T3_A19_15) U396.2(A1)
RS422_MOTOR_RX_N: J127.7 R3134.2 R3291.2
RS422_MOTOR_RX_P: J127.15 R3134.1 R3292.2
RS422_MOTOR_TX_N: J127.3 R3354.2 R3356.2
RS422_MOTOR_TX_P: J127.11 R3354.1 R3357.2
S_FPGA_CLK: R669.2 U88.D14(IO_L11P_T1_SRCC_14)
S_FPGA_QSPI_CLK: R670.2 U88.A8(CCLK_0)
S_FPGA_QSPI_CS_B: R658.2 U88.C11(IO_L6P_T0_FCS_B_14) U89.1(C\S\)
S_FPGA_QSPI_MISO0: U88.B11(IO_L1P_T0_D00_MOSI_14) U89.5(DI/IO0)
S_FPGA_QSPI_MISO1: U88.B12(IO_L1N_T0_D01_DIN_14) U89.2(DO/IO1)
S_FPGA_QSPI_MISO2: R659.2 U88.D10(IO_L2P_T0_D02_14) U89.3(\W\P\/IO2)
S_FPGA_QSPI_MISO3: R660.2 U88.C10(IO_L2N_T0_D03_14) U89.7(\H\O\L\D\/IO3)
S_FPGA_TCK: D8.3 J56.1 R668.2 U88.A7(TCK_0)
S_FPGA_TDI: D5.3 J56.9 U88.P7(TDI_0)
S_FPGA_TDO: D7.3 J56.3 U88.P6(TDO_0)
S_FPGA_TMS: D6.3 J56.5 R667.2 U88.M6(TMS_0)
S_XADC_AGND: C815.2(CAP1) L41.2 R789.2 R790.2 R791.2
SAFETY_IN1: R2183.1 U247.D16(IO_L15P_T2_DQS_17)
SAFETY_IN1+: R2162.1 U280.4(DRAIN2)
SAFETY_IN1-: R2167.1 U280.3(DRAIN1)
SAFETY_IN2: R2352.1 U247.C16(IO_L15N_T2_DQS_17)
SAFETY_IN2+: R2163.1 U303.4(DRAIN2)
SAFETY_IN2-: R2166.1 U303.3(DRAIN1)
SAFETY_IN3: R2353.1 U247.G18(IO_L16P_T2_17)
SAFETY_IN3+: R2164.1 U304.4(DRAIN2)
SAFETY_IN3-: R2165.1 U304.3(DRAIN1)
SAFETY_OUT1: R2186.2 U247.F18(IO_L16N_T2_17)
SAFETY_OUT1+: R2184.2 R2186.1 R2359.1
SAFETY_OUT1-: R2185.2 R2362.1
SAFETY_OUT2: R2189.2 U247.C17(IO_L17P_T2_17)
SAFETY_OUT2+: R2187.2 R2189.1 R2358.1
SAFETY_OUT2-: R2188.2 R2361.1
SAFETY_OUT3: R2355.2 U247.B17(IO_L17N_T2_17)
SAFETY_OUT3+: R2354.2 R2355.1 R2357.1
SAFETY_OUT3-: R2356.2 R2360.1
SFP_MGT_REFCLK0_C_N: C989.1(CAP2) U247.G7(MGTREFCLK0N_117)
SFP_MGT_REFCLK0_C_P: C990.1(CAP2) U247.G8(MGTREFCLK0P_117)
SFP_MGT_REFCLK0_N: C989.2(CAP1) U105.14(SCLKOUT3*)
SFP_MGT_REFCLK0_P: C990.2(CAP1) U105.13(SCLKOUT3)
SFP_MGT_REFCLK1_C_N: C967.1(CAP2) U247.C7(MGTREFCLK0N_118)
SFP_MGT_REFCLK1_C_P: C968.1(CAP2) U247.C8(MGTREFCLK0P_118)
SFP_MGT_REFCLK1_N: C967.2(CAP1) U105.16(CLKOUT2*)
SFP_MGT_REFCLK1_P: C968.2(CAP1) U105.15(CLKOUT2)
SFPGA_25M_OSC_ETH: C865.1(CAP2) R858.2 U93.37(XTAL_OUT/EXT_CLK)
SFPGA_ETH_INTB: R852.2 U88.P10(IO_L24P_T3_D17_14)
SFPGA_ETH_LED0: R867.2 R875.1 U93.32(LED_0/CFG_EXT)
SFPGA_ETH_LED1: R835.1 R866.2 R874.1 U93.33(LED_1/CFG_LDO0)
SFPGA_ETH_LED2: R834.1 R865.2 R873.1 U93.34(LED_2/CFG_LDO1)
SFPGA_ETH_RESET_B: R853.2 U88.N11(IO_L23N_T3_D18_14)
SFPGA_ETH_TD_M_A: J6.3 U93.2(MDIN0)
SFPGA_ETH_TD_M_B: J6.7 U93.5(MDIN1)
SFPGA_ETH_TD_M_C: J6.6 U93.7(MDIN2)
SFPGA_ETH_TD_M_D: J6.9 U93.10(MDIN3)
SFPGA_ETH_TD_P_A: J6.2 U93.1(MDIP0)
SFPGA_ETH_TD_P_B: J6.4 U93.4(MDIP1)
SFPGA_ETH_TD_P_C: J6.5 U93.6(MDIP2)
SFPGA_ETH_TD_P_D: J6.8 U93.9(MDIP3)
SFPGA_RGMII_MDC: R854.2 U88.H13(IO_L14P_T2_SRCC_14)
SFPGA_RGMII_MDIO: R855.2 U88.N10(IO_L23P_T3_D19_14)
SFPGA_RGMII_RX_CLK: R860.2 R868.1 U88.H11(IO_L13P_T2_MRCC_14) U93.27(RX_CLK/PHYAD1)
SFPGA_RGMII_RX_CTL: R861.2 R869.1 U88.P12(IO_L22P_T3_D21_14) U93.26(RX_CTRL/PHYAD2)
SFPGA_RGMII_RXD0: R864.2 R872.1 U88.M11(IO_L20P_T3_D24_14) U93.25(RX_D0/RXDLY)
SFPGA_RGMII_RXD1: R863.2 R871.1 U88.M12(IO_L20N_T3_D23_14) U93.24(RX_D1/TXDLY)
SFPGA_RGMII_RXD2: R862.2 R870.1 U88.N14(IO_L21P_T3_DQS_14) U93.23(RX_D2/PLLOFF)
SFPGA_RGMII_RXD3: R856.1 R857.2 U88.M14(IO_L21N_T3_DQS_D22_14) U93.22(RX_D3/PHYAD0)
SFPGA_RGMII_TX_CLK: U88.G11(IO_L12P_T1_MRCC_14) U93.20(GTX_CLK)
SFPGA_RGMII_TX_CTL: U88.K11(IO_L19P_T3_D26_14) U93.19(TX_CTRL)
SFPGA_RGMII_TXD0: U88.J11(IO_L17P_T2_D30_14) U93.18(TD_D0)
SFPGA_RGMII_TXD1: U88.J12(IO_L17N_T2_D29_14) U93.17(TD_D1)
SFPGA_RGMII_TXD2: U88.J13(IO_L18P_T2_D28_14) U93.16(TD_D2)
SFPGA_RGMII_TXD3: U88.J14(IO_L18N_T2_D27_14) U93.15(TD_D3)
SYNC_N: J127.2 R3362.2 R3364.2
SYNC_P: J127.10 R3362.1 R3365.2
TDI_1_GPIO_IN: R2611.1 R3275.2
TDI_1_SYNC_GPIO_OUT: R2617.1 R3279.2
TDI_2_GPIO_IN: R2613.1 R3276.2
